# KiCad board SparkFun_BlueSMiRF-ESP32-PTH_panelized.kicad_pcb (continued)
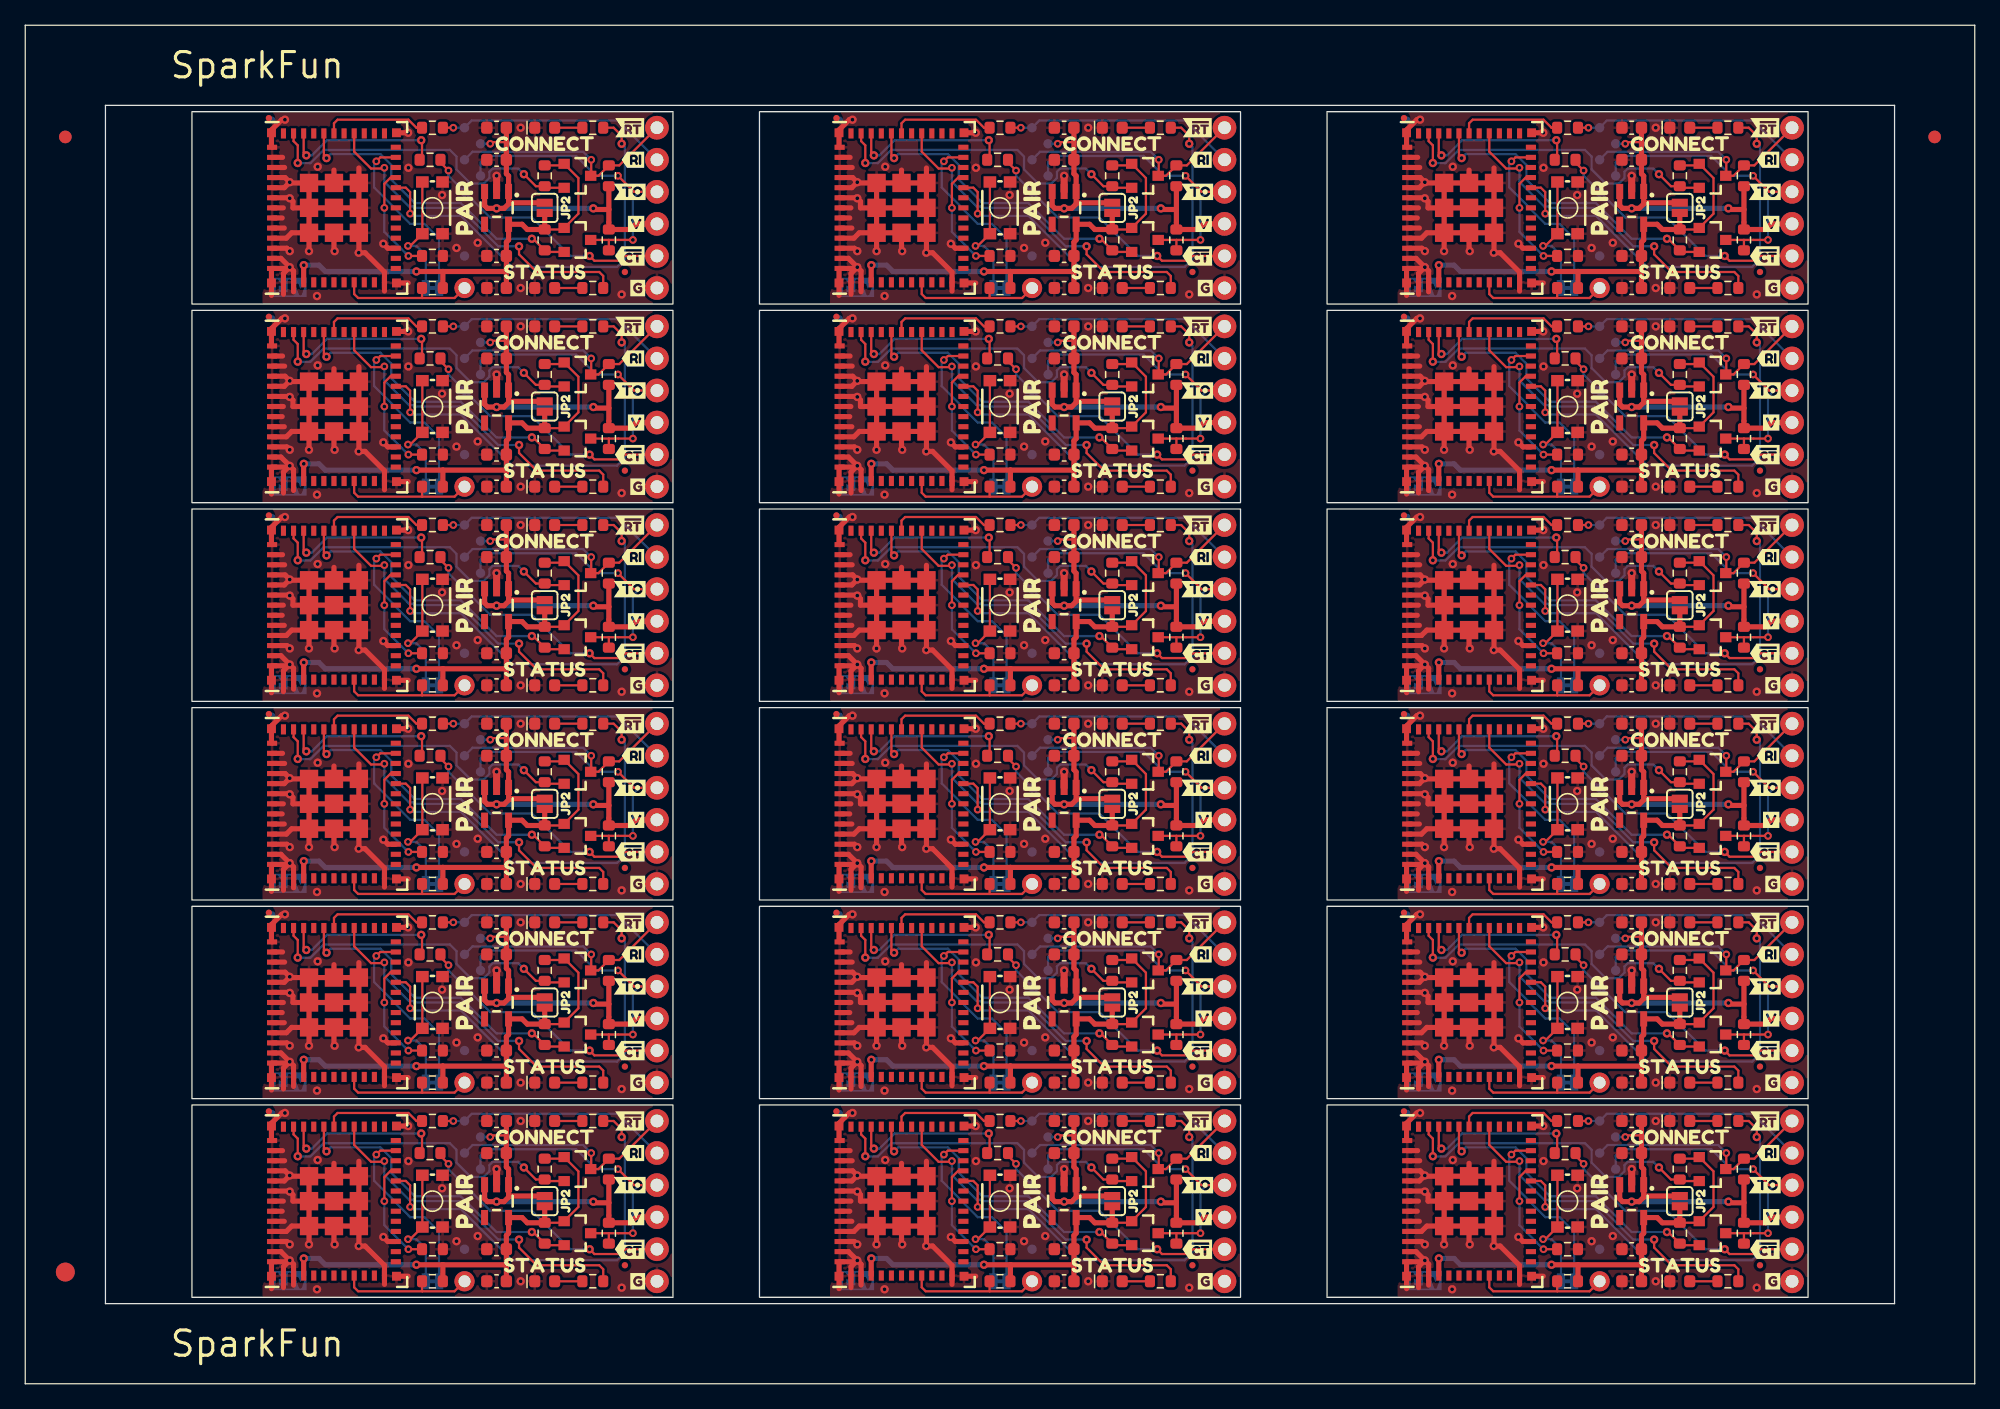
[diagram p0: board, top side]
## Routing (per net, layer and track width the routed paths; a pad name or vN(x,y) marks a point on that pad's centre or on a via; arc(x,y) is an arc through that point) (continued)

## Copper pours and planes (outline as drawn; the poured copper is in the pictures)
GND on Top, Bottom: 63.74,85.55 63.74,100.79 96.25,100.79 96.25,85.55
GND on Top, Bottom: 108.69,6.85 108.69,22.09 141.2,22.09 141.2,6.85
GND on Top, Bottom: 63.74,22.59 63.74,37.83 96.25,37.83 96.25,22.59
GND on Top, Bottom: 108.69,69.81 108.69,85.05 141.2,85.05 141.2,69.81
GND on Top, Bottom: 108.69,38.33 108.69,53.57 141.2,53.57 141.2,38.33
GND on Top, Bottom: 18.79,6.85 18.79,22.09 51.3,22.09 51.3,6.85
GND on Top, Bottom: 108.69,54.07 108.69,69.31 141.2,69.31 141.2,54.07
GND on Top, Bottom: 63.74,6.85 63.74,22.09 96.25,22.09 96.25,6.85
GND on Top, Bottom: 108.69,85.55 108.69,100.79 141.2,100.79 141.2,85.55
GND on Top, Bottom: 108.69,22.59 108.69,37.83 141.2,37.83 141.2,22.59
GND on Top, Bottom: 63.74,54.07 63.74,69.31 96.25,69.31 96.25,54.07
GND on Top, Bottom: 63.74,38.33 63.74,53.57 96.25,53.57 96.25,38.33
GND on Top, Bottom: 63.74,69.81 63.74,85.05 96.25,85.05 96.25,69.81
GND on Top, Bottom: 18.79,69.81 18.79,85.05 51.3,85.05 51.3,69.81
GND on Top, Bottom: 18.79,38.33 18.79,53.57 51.3,53.57 51.3,38.33
GND on Top, Bottom: 18.79,54.07 18.79,69.31 51.3,69.31 51.3,54.07
GND on Top, Bottom: 18.79,22.59 18.79,37.83 51.3,37.83 51.3,22.59
GND on Top, Bottom: 18.79,85.55 18.79,100.79 51.3,100.79 51.3,85.55

## Text on the board
Bottom: v11
User.Comments: N. Seidle | V-SCORE | ROUTE OUT
F.Fab: Solder Mask: Red | Layers: 2 | Finish: Lead Free HASL | Thickness: 1.6mm | Material: TG155 | Copper Weight: 1oz
F.Silkscreen: SparkFun
